# Altium PCB PCB_IC.PcbDoc (part 3 of 4)
Units mm, origin at the board's own origin, x right, y up, seen from the top; angles counter-clockwise.
Board outline 86.27 x 163.53 mm, 4 copper layers (Top Layer, Mid 1, Mid 2, Bottom Layer), stack 0.778 mm thick; 429 components, 360 nets, 1348 pads, 311 vias.
Unrouted connection lines stored in the file: 4.
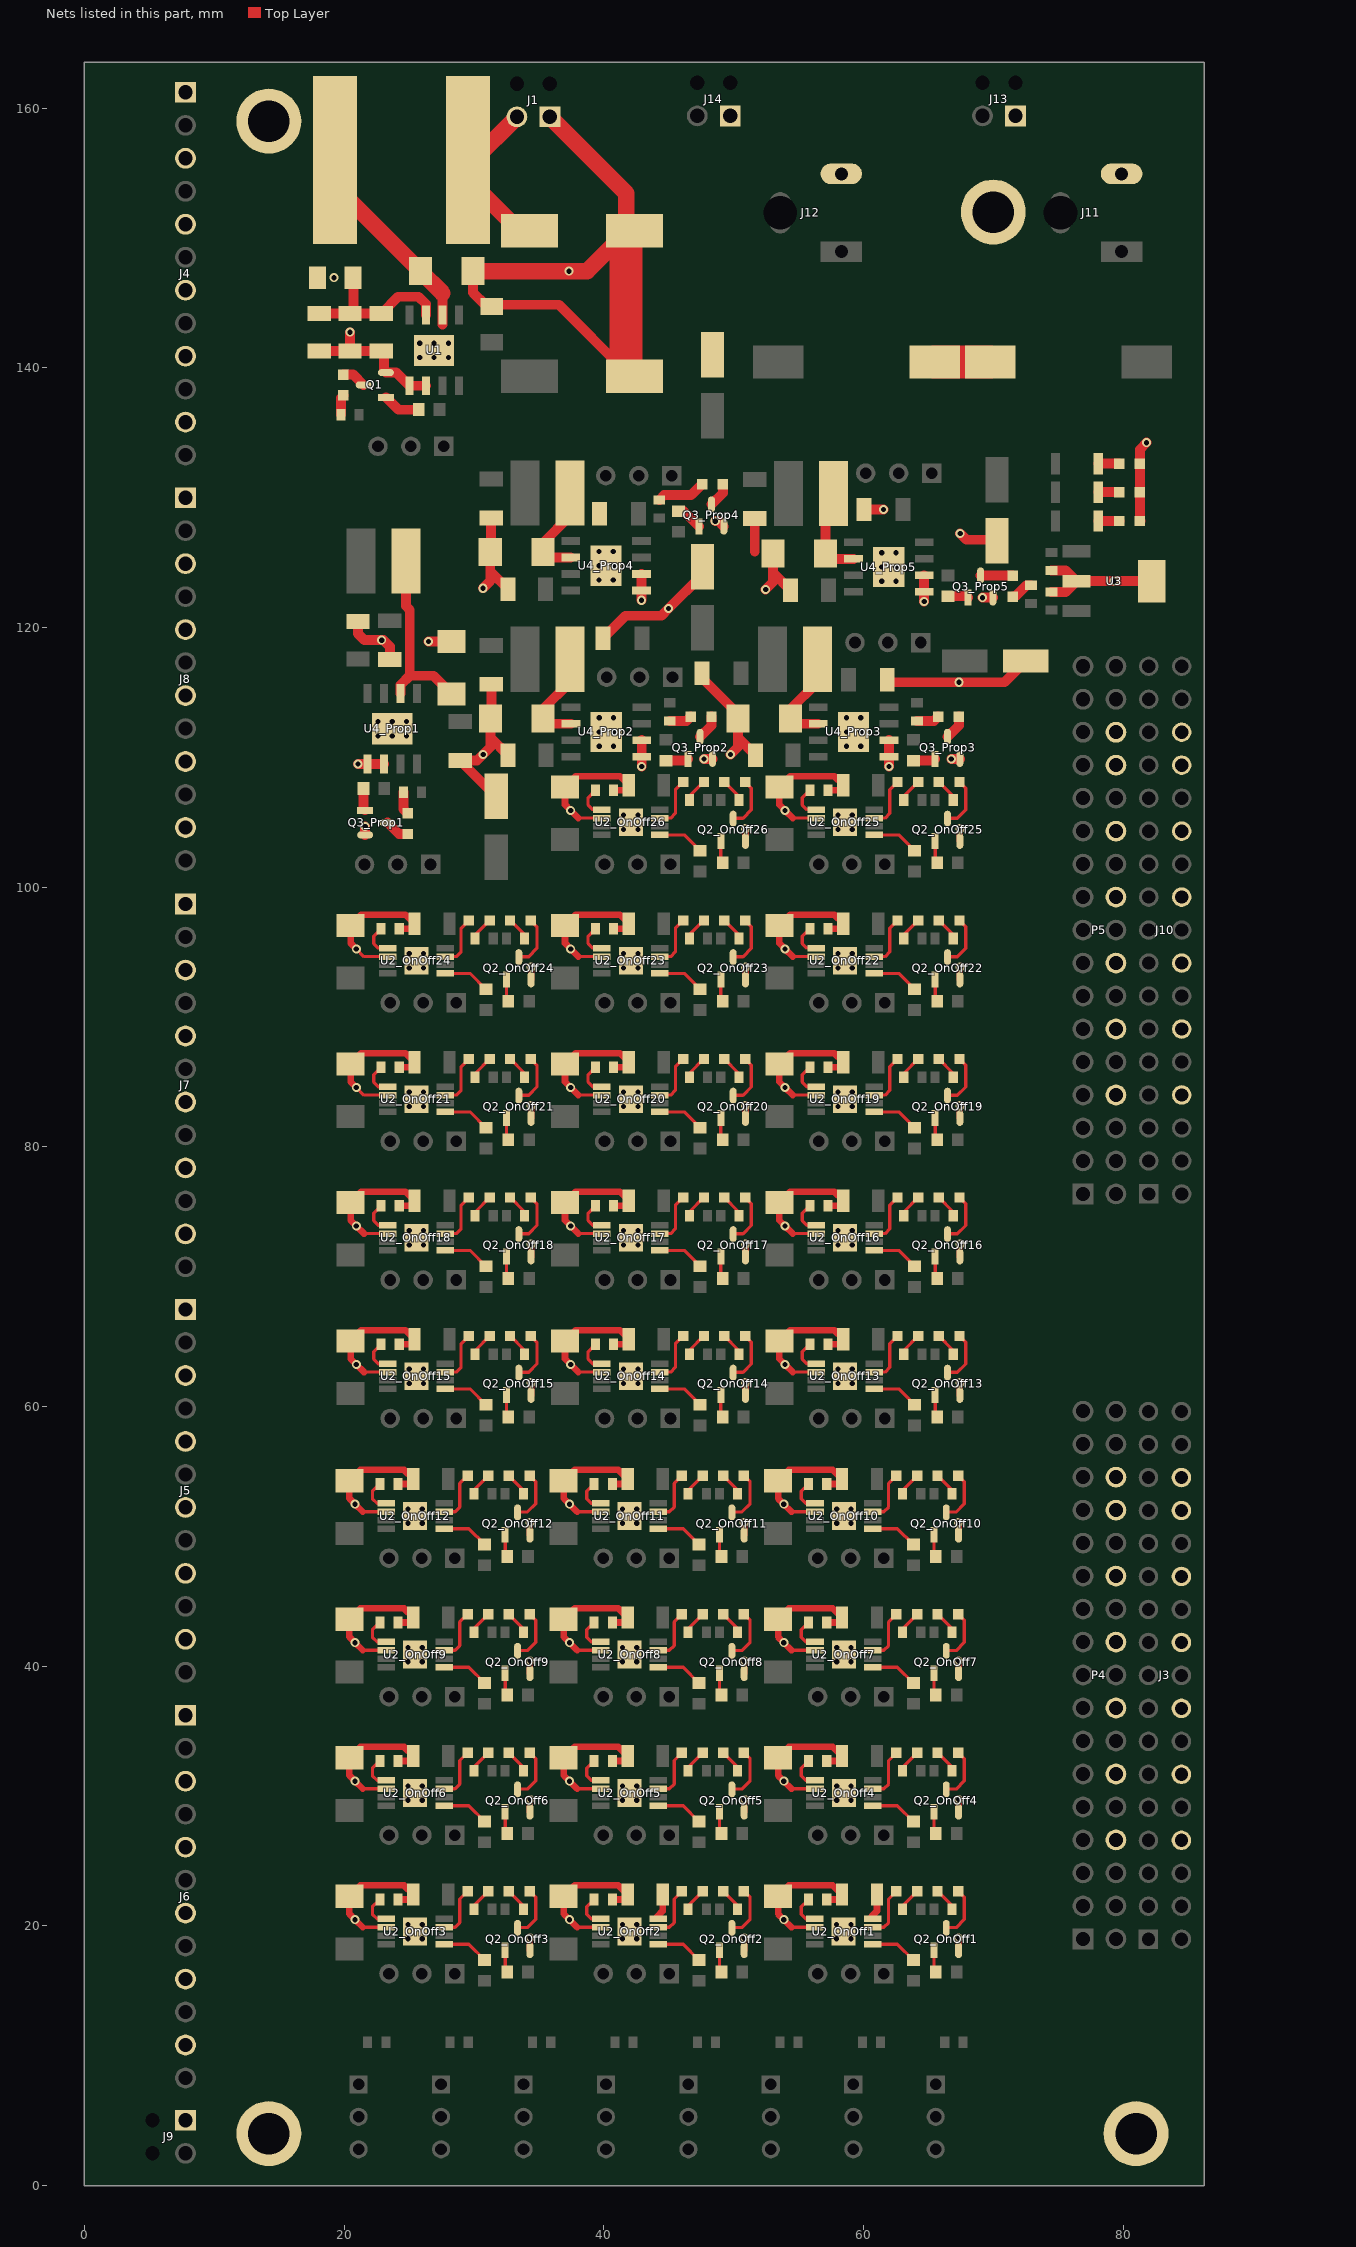
[diagram p5: the nets of this part, all layers, seen from the top]

## Via types
v1: diameter 0.7, hole 0.4, Top Layer to Bottom Layer, 256 vias
v2: diameter 0.55, hole 0.25, Top Layer to Bottom Layer, 55 vias

## Nets (pads, with @x,y where several pads share a name; then routed paths per layer and width w, separated by ;. In a path a pad name is that pad's centre, name@x,y a point inside that pad or via, vN(x,y) a via of type N, cw(c..) or ccw(c..) an arc to the next point about the centre after c; other vN are vias at no path point) (continued)
GND: C1.2 C2.2 C3.2 C4.2 C5_OnOff1.1 C5_OnOff2.1 C5_OnOff3.1 C5_OnOff4.1 C5_OnOff5.1 C5_OnOff6.1 C5_OnOff7.1 C5_OnOff8.1 C5_OnOff9.1 C5_OnOff10.1 C5_OnOff11.1 C5_OnOff12.1 C5_OnOff13.1 C5_OnOff14.1 C5_OnOff15.1 C5_OnOff16.1 C5_OnOff17.1 C5_OnOff18.1 C5_OnOff19.1 C5_OnOff20.1 C5_OnOff21.1 C5_OnOff22.1 C5_OnOff23.1 C5_OnOff24.1 C5_OnOff25.1 C5_OnOff26.1 C6.1 C7.2 C9_Prop1.2 C9_Prop2.2 C9_Prop3.2 C9_Prop4.2 C9_Prop5.2 C10_Prop1.1 C10_Prop2.1 C10_Prop3.1 C10_Prop4.1 C10_Prop5.1 C11_Prop1.1 C11_Prop2.1 C11_Prop3.1 C11_Prop4.1 C11_Prop5.1 C12.2 C13.2 D2.2 D5_OnOff1.2 D5_OnOff2.2 D5_OnOff3.2 D5_OnOff4.2 D5_OnOff5.2 D5_OnOff6.2 D5_OnOff7.2 D5_OnOff8.2 D5_OnOff9.2 D5_OnOff10.2 D5_OnOff11.2 D5_OnOff12.2 D5_OnOff13.2 D5_OnOff14.2 D5_OnOff15.2 D5_OnOff16.2 D5_OnOff17.2 D5_OnOff18.2 D5_OnOff19.2 D5_OnOff20.2 D5_OnOff21.2 D5_OnOff22.2 D5_OnOff23.2 D5_OnOff24.2 D5_OnOff25.2 D5_OnOff26.2 D6.1 D7.1 D8.1 D10_Prop1.2 D10_Prop2.2 D10_Prop3.2 D10_Prop4.2 D10_Prop5.2 J1.1 J3.8 J3.12 J3.16 J3.20 J3.24 J3.28 J3.30 J4.1 J4.3 J4.5 J4.7 J4.9 J4.11 J5.1 J5.3 J5.5 J5.7 J5.9 J5.11 J6.1 J6.3 J6.5 J6.7 J6.9 J6.11 J7.1 J7.3 J7.5 J7.7 J7.9 J7.11 J8.1 J8.3 J8.5 J8.7 J8.9 J8.11 J9.1 J10.8 J10.12 J10.16 J10.20 J10.24 J10.28 J10.30 J11.2 J12.2 J13.1 J14.1 P4.8 P4.12 P4.16 P4.20 P4.24 P4.28 P4.30 P5.8 P5.12 P5.16 P5.20 P5.24 P5.28 P5.30 pad.2 Q1.2 Q2_OnOff1.2 Q2_OnOff2.2 Q2_OnOff3.2 Q2_OnOff4.2 Q2_OnOff5.2 Q2_OnOff6.2 Q2_OnOff7.2 Q2_OnOff8.2 Q2_OnOff9.2 Q2_OnOff10.2 Q2_OnOff11.2 Q2_OnOff12.2 Q2_OnOff13.2 Q2_OnOff14.2 Q2_OnOff15.2 Q2_OnOff16.2 Q2_OnOff17.2 Q2_OnOff18.2 Q2_OnOff19.2 Q2_OnOff20.2 Q2_OnOff21.2 Q2_OnOff22.2 Q2_OnOff23.2 Q2_OnOff24.2 Q2_OnOff25.2 Q2_OnOff26.2 Q3_Prop1.2 Q3_Prop2.2 Q3_Prop3.2 Q3_Prop4.2 Q3_Prop5.2 R3.1 R4.1 R5.1 R10_OnOff1.1 R10_OnOff2.1 R10_OnOff3.1 R10_OnOff4.1 R10_OnOff5.1 R10_OnOff6.1 R10_OnOff7.1 R10_OnOff8.1 R10_OnOff9.1 R10_OnOff10.1 R10_OnOff11.1 R10_OnOff12.1 R10_OnOff13.1 R10_OnOff14.1 R10_OnOff15.1 R10_OnOff16.1 R10_OnOff17.1 R10_OnOff18.1 R10_OnOff19.1 R10_OnOff20.1 R10_OnOff21.1 R10_OnOff22.1 R10_OnOff23.1 R10_OnOff24.1 R10_OnOff25.1 R10_OnOff26.1 R17_Prop1.1 R17_Prop2.1 R17_Prop3.1 R17_Prop4.1 R17_Prop5.1 U1.1 U1.2 U2_OnOff1.6 U2_OnOff2.6 U2_OnOff3.6 U2_OnOff4.6 U2_OnOff5.6 U2_OnOff6.6 U2_OnOff7.6 U2_OnOff8.6 U2_OnOff9.6 U2_OnOff10.6 U2_OnOff11.6 U2_OnOff12.6 U2_OnOff13.6 U2_OnOff14.6 U2_OnOff15.6 U2_OnOff16.6 U2_OnOff17.6 U2_OnOff18.6 U2_OnOff19.6 U2_OnOff20.6 U2_OnOff21.6 U2_OnOff22.6 U2_OnOff23.6 U2_OnOff24.6 U2_OnOff25.6 U2_OnOff26.6 U3.2 U3.4 U4_Prop1.1 U4_Prop1.2 U4_Prop2.1 U4_Prop2.2 U4_Prop3.1 U4_Prop3.2 U4_Prop4.1 U4_Prop4.2 U4_Prop5.1 U4_Prop5.2 | length 492.7
  Top Layer w0.254: v1(20.942,84.582) 21.531,83.993 U2_OnOff21.6@23.344,83.993 ; v1(20.942,95.25) 21.531,94.661 U2_OnOff24.6@23.344,94.661 ; 21.435,19.889 U2_OnOff3.6@23.248,19.889 ; 21.435,30.557 U2_OnOff6.6@23.248,30.557 ; 21.435,41.225 U2_OnOff9.6@23.248,41.225 ; 21.435,51.893 U2_OnOff12.6@23.248,51.893 ; 21.531,62.657 U2_OnOff15.6@23.344,62.657 ; 21.531,73.325 U2_OnOff18.6@23.344,73.325 ; 37.945,19.889 U2_OnOff2.6@39.758,19.889 ; 37.945,30.557 U2_OnOff5.6@39.758,30.557 ; 37.945,41.225 U2_OnOff8.6@39.758,41.225 ; 37.945,51.893 U2_OnOff11.6@39.758,51.893 ; 38.041,62.657 U2_OnOff14.6@39.854,62.657 ; 38.041,73.325 U2_OnOff17.6@39.854,73.325 ; 38.041,83.993 U2_OnOff20.6@39.854,83.993 ; 38.041,94.661 U2_OnOff23.6@39.854,94.661 ; 38.041,105.329 U2_OnOff26.6@39.854,105.329 ; 54.455,19.889 U2_OnOff1.6@56.268,19.889 ; 54.455,30.557 U2_OnOff4.6@56.268,30.557 ; 54.455,41.225 U2_OnOff7.6@56.268,41.225 ; 54.455,51.893 U2_OnOff10.6@56.268,51.893 ; 54.551,62.657 U2_OnOff13.6@56.364,62.657 ; 54.551,73.325 U2_OnOff16.6@56.364,73.325 ; 54.551,83.993 U2_OnOff19.6@56.364,83.993 ; 54.551,94.661 U2_OnOff22.6@56.364,94.661 ; 54.551,105.329 U2_OnOff25.6@56.364,105.329
  Top Layer w0.508: v1(20.942,84.582) 20.5,85.024 D5_OnOff21.2@20.5,86.384 21.338,87.222 24.716,87.222 R10_OnOff21.1@25.42,86.518 25.039,86.137 C5_OnOff21.1@24.248,86.137 ; v1(20.942,95.25) 20.5,95.692 D5_OnOff24.2@20.5,97.052 21.338,97.89 24.716,97.89 R10_OnOff24.1@25.42,97.186 25.039,96.805 C5_OnOff24.1@24.248,96.805 ; 21.435,19.889 v1(20.846,20.478) 20.404,20.92 D5_OnOff3.2@20.404,22.28 21.242,23.118 24.62,23.118 R10_OnOff3.1@25.324,22.414 24.943,22.033 C5_OnOff3.1@24.152,22.033 ; 21.435,30.557 v1(20.846,31.146) 20.404,31.588 D5_OnOff6.2@20.404,32.948 21.242,33.786 24.62,33.786 R10_OnOff6.1@25.324,33.082 24.943,32.701 C5_OnOff6.1@24.152,32.701 ; 21.435,41.225 v1(20.846,41.814) 20.404,42.256 D5_OnOff9.2@20.404,43.616 21.242,44.454 24.62,44.454 R10_OnOff9.1@25.324,43.75 24.943,43.369 C5_OnOff9.1@24.152,43.369 ; 21.435,51.893 v1(20.846,52.482) 20.404,52.924 D5_OnOff12.2@20.404,54.284 21.242,55.122 24.62,55.122 R10_OnOff12.1@25.324,54.418 24.943,54.037 C5_OnOff12.1@24.152,54.037 ; 21.531,62.657 v1(20.942,63.246) 20.5,63.688 D5_OnOff15.2@20.5,65.048 21.338,65.886 24.716,65.886 R10_OnOff15.1@25.42,65.182 25.039,64.801 C5_OnOff15.1@24.248,64.801 ; 21.531,73.325 v1(20.942,73.914) 20.5,74.356 D5_OnOff18.2@20.5,75.716 21.338,76.554 24.716,76.554 R10_OnOff18.1@25.42,75.85 25.039,75.469 C5_OnOff18.1@24.248,75.469 ; Q2_OnOff3.2@34.308,18.125 v1(34.308,19.064) ; Q2_OnOff6.2@34.308,28.793 v1(34.308,29.732) ; Q2_OnOff9.2@34.308,39.461 v1(34.308,40.4) ; Q2_OnOff12.2@34.308,50.129 v1(34.308,51.068) ; Q2_OnOff15.2@34.404,60.893 v1(34.404,61.832) ; Q2_OnOff18.2@34.404,71.561 v1(34.404,72.5) ; Q2_OnOff21.2@34.404,82.229 v1(34.404,83.168) ; Q2_OnOff24.2@34.404,92.897 v1(34.404,93.836) ; 37.945,19.889 v1(37.356,20.478) 36.914,20.92 D5_OnOff2.2@36.914,22.28 37.752,23.118 41.13,23.118 R10_OnOff2.1@41.834,22.414 41.453,22.033 C5_OnOff2.1@40.662,22.033 ; 37.945,30.557 v1(37.356,31.146) 36.914,31.588 D5_OnOff5.2@36.914,32.948 37.752,33.786 41.13,33.786 R10_OnOff5.1@41.834,33.082 41.453,32.701 C5_OnOff5.1@40.662,32.701 ; 37.945,41.225 v1(37.356,41.814) 36.914,42.256 D5_OnOff8.2@36.914,43.616 37.752,44.454 41.13,44.454 R10_OnOff8.1@41.834,43.75 41.453,43.369 C5_OnOff8.1@40.662,43.369 ; 37.945,51.893 v1(37.356,52.482) 36.914,52.924 D5_OnOff11.2@36.914,54.284 37.752,55.122 41.13,55.122 R10_OnOff11.1@41.834,54.418 41.453,54.037 C5_OnOff11.1@40.662,54.037 ; 38.041,62.657 v1(37.452,63.246) 37.01,63.688 D5_OnOff14.2@37.01,65.048 37.848,65.886 41.226,65.886 R10_OnOff14.1@41.93,65.182 41.549,64.801 C5_OnOff14.1@40.758,64.801 ; 38.041,73.325 v1(37.452,73.914) 37.01,74.356 D5_OnOff17.2@37.01,75.716 37.848,76.554 41.226,76.554 R10_OnOff17.1@41.93,75.85 41.549,75.469 C5_OnOff17.1@40.758,75.469 ; 38.041,83.993 v1(37.452,84.582) 37.01,85.024 D5_OnOff20.2@37.01,86.384 37.848,87.222 41.226,87.222 R10_OnOff20.1@41.93,86.518 41.549,86.137 C5_OnOff20.1@40.758,86.137 ; 38.041,94.661 v1(37.452,95.25) 37.01,95.692 D5_OnOff23.2@37.01,97.052 37.848,97.89 41.226,97.89 R10_OnOff23.1@41.93,97.186 41.549,96.805 C5_OnOff23.1@40.758,96.805 ; 38.041,105.329 v1(37.452,105.918) 37.01,106.36 D5_OnOff26.2@37.01,107.72 37.848,108.558 41.226,108.558 R10_OnOff26.1@41.93,107.854 41.549,107.473 C5_OnOff26.1@40.758,107.473 ; Q2_OnOff2.2@50.818,18.125 v1(50.818,19.064) ; Q2_OnOff5.2@50.818,28.793 v1(50.818,29.732) ; Q2_OnOff8.2@50.818,39.461 v1(50.818,40.4) ; Q2_OnOff11.2@50.818,50.129 v1(50.818,51.068) ; Q2_OnOff14.2@50.914,60.893 v1(50.914,61.832) ; Q2_OnOff17.2@50.914,71.561 v1(50.914,72.5) ; Q2_OnOff20.2@50.914,82.229 v1(50.914,83.168) ; Q2_OnOff23.2@50.914,92.897 v1(50.914,93.836) ; Q2_OnOff26.2@50.914,103.565 v1(50.914,104.504) ; 54.455,19.889 v1(53.866,20.478) 53.424,20.92 D5_OnOff1.2@53.424,22.28 54.262,23.118 57.64,23.118 R10_OnOff1.1@58.344,22.414 57.963,22.033 C5_OnOff1.1@57.172,22.033 ; 54.455,30.557 v1(53.866,31.146) 53.424,31.588 D5_OnOff4.2@53.424,32.948 54.262,33.786 57.64,33.786 R10_OnOff4.1@58.344,33.082 57.963,32.701 C5_OnOff4.1@57.172,32.701 ; 54.455,41.225 v1(53.866,41.814) 53.424,42.256 D5_OnOff7.2@53.424,43.616 54.262,44.454 57.64,44.454 R10_OnOff7.1@58.344,43.75 57.963,43.369 C5_OnOff7.1@57.172,43.369 ; 54.455,51.893 v1(53.866,52.482) 53.424,52.924 D5_OnOff10.2@53.424,54.284 54.262,55.122 57.64,55.122 R10_OnOff10.1@58.344,54.418 57.963,54.037 C5_OnOff10.1@57.172,54.037 ; 54.551,62.657 v1(53.962,63.246) 53.52,63.688 D5_OnOff13.2@53.52,65.048 54.358,65.886 57.736,65.886 R10_OnOff13.1@58.44,65.182 58.059,64.801 C5_OnOff13.1@57.268,64.801 ; 54.551,73.325 v1(53.962,73.914) 53.52,74.356 D5_OnOff16.2@53.52,75.716 54.358,76.554 57.736,76.554 R10_OnOff16.1@58.44,75.85 58.059,75.469 C5_OnOff16.1@57.268,75.469 ; 54.551,83.993 v1(53.962,84.582) 53.52,85.024 D5_OnOff19.2@53.52,86.384 54.358,87.222 57.736,87.222 R10_OnOff19.1@58.44,86.518 58.059,86.137 C5_OnOff19.1@57.268,86.137 ; 54.551,94.661 v1(53.962,95.25) 53.52,95.692 D5_OnOff22.2@53.52,97.052 54.358,97.89 57.736,97.89 R10_OnOff22.1@58.44,97.186 58.059,96.805 C5_OnOff22.1@57.268,96.805 ; 54.551,105.329 v1(53.962,105.918) 53.52,106.36 D5_OnOff25.2@53.52,107.72 54.358,108.558 57.736,108.558 R10_OnOff25.1@58.44,107.854 58.059,107.473 C5_OnOff25.1@57.268,107.473 ; Q2_OnOff1.2@67.328,18.125 v1(67.328,19.064) ; Q2_OnOff4.2@67.328,28.793 v1(67.328,29.732) ; Q2_OnOff7.2@67.328,39.461 v1(67.328,40.4) ; Q2_OnOff10.2@67.328,50.129 v1(67.328,51.068) ; Q2_OnOff13.2@67.424,60.893 v1(67.424,61.832) ; Q2_OnOff16.2@67.424,71.561 v1(67.424,72.5) ; Q2_OnOff19.2@67.424,82.229 v1(67.424,83.168) ; Q2_OnOff22.2@67.424,92.897 v1(67.424,93.836) ; Q2_OnOff25.2@67.424,103.565 v1(67.424,104.504)
  Top Layer w0.762: R5.1@18.083,141.29 18.091,141.298 R4.1@20.456,141.298 ; v1(20.456,142.748) R4.1@20.456,141.298 ; v1(21.059,109.48) U4_Prop1.1@21.805,109.48 U4_Prop1.2@23.075,109.48 ; R17_Prop1.1@21.066,120.476 21.066,119.526 21.566,119.026 v1(22.895,119.026) 23.022,119.026 23.522,118.526 C11_Prop1.1@23.522,117.526 ; Q3_Prop1.2@21.622,104.027 v1(21.622,104.684) ; U1.2@26.298,138.626 U1.1@25.028,138.626 24.02,139.634 Q1.2@23.221,139.634 23.075,139.78 23.075,141.092 R3.1@22.869,141.298 R4.1@20.456,141.298 ; v1(26.49,118.929) D10_Prop1.2@28.286,118.929 ; D2.2@29.937,147.447 29.937,145.792 30.866,144.863 36.539,144.863 C2.2@41.716,139.685 ; v1(30.692,123.028) 31.258,123.594 31.258,124.324 ; D10_Prop4.2@31.258,125.806 31.258,124.324 ; D10_Prop2.2@31.277,113.01 31.277,111.528 ; D10_Prop4.2@31.327,125.875 C11_Prop4.1@31.327,128.428 ; D10_Prop2.2@31.346,113.079 C11_Prop2.1@31.346,115.632 ; C9_Prop1.2@31.708,106.998 31.703,106.998 C10_Prop1.1@28.94,109.761 30.24,109.761 v1(30.711,110.232) 31.277,110.798 31.277,111.528 ; R17_Prop4.1@32.62,122.961 31.258,124.324 ; R17_Prop2.1@32.639,110.165 31.277,111.528 ; C10_Prop2.1@39.936,119.177 41.671,120.911 44.441,120.911 v1(44.992,121.463) 47.6,124.071 C9_Prop2.2@47.6,124.672 ; v1(42.902,122.105) U4_Prop4.1@42.902,122.85 U4_Prop4.2@42.902,124.12 ; v1(42.921,109.309) U4_Prop2.1@42.921,110.054 U4_Prop2.2@42.921,111.324 ; C11_Prop3.1@47.556,116.484 47.556,116.105 50.327,113.335 D10_Prop3.2@50.327,113.01 50.327,111.528 ; v1(47.716,109.872) Q3_Prop2.2@48.374,109.872 ; v1(48.587,128.194) 48.824,128.194 Q3_Prop4.2@49.244,127.773 ; v1(49.761,110.232) 50.327,110.798 50.327,111.528 ; 51.63,125.856 C11_Prop5.1@51.63,128.409 ; R17_Prop3.1@51.689,110.165 50.327,111.528 ; v1(52.468,122.932) 53.034,123.498 53.034,124.228 ; D10_Prop5.2@53.034,125.711 53.034,124.228 ; R17_Prop5.1@54.397,122.866 53.034,124.228 ; C10_Prop5.1@60.043,129.089 v1(61.543,129.089) ; C10_Prop3.1@61.834,115.984 62.031,115.788 v1(67.37,115.788) 70.877,115.788 C9_Prop3.2@72.514,117.424 ; v1(61.971,109.309) U4_Prop3.1@61.971,110.054 U4_Prop3.2@61.971,111.324 ; v1(64.679,122.009) U4_Prop5.1@64.679,122.755 U4_Prop5.2@64.679,124.025 ; v1(66.766,109.872) Q3_Prop3.2@67.424,109.872 ; v1(67.451,127.236) 67.925,126.762 C9_Prop5.2@69.783,126.762 ; v1(69.173,122.301) Q3_Prop5.2@69.971,122.301 ; C7.2@74.477,122.747 75.579,122.747 U3.2@76.403,123.571 ; C6.1@74.477,124.395 75.579,124.395 U3.2@76.403,123.571 ; D8.1@81.339,128.204 81.289,128.254 D6.1@81.289,130.429 D7.1@81.289,132.626 81.289,133.716 v1(81.812,134.239) ; U3.4@82.643,124.011 U3.4@82.203,123.571 v1(79.303,123.571) U3.2@76.403,123.571
  Top Layer w1.27: D2.2@29.937,147.447 v1(37.31,147.447) 38.719,147.447 41.716,150.444 41.716,153.467 J1.1@35.848,159.334
  Top Layer w2.54: C2.2@41.716,139.685 C4.2@41.716,150.444 ; C13.2@65.489,140.462 C12.2@69.762,140.462 C12.2@69.087,140.462
  other v1: 57.93,19.008 59.03,19.008 24.923,19.014 26.023,19.014 41.433,19.014 42.533,19.014 24.923,20.114 26.023,20.114 41.433,20.114 42.533,20.114 57.93,20.108 59.03,20.108 24.923,29.682 26.023,29.682 41.433,29.682 42.533,29.682 57.943,29.682 59.043,29.682 24.923,30.782 26.023,30.782 41.433,30.782 42.533,30.782 57.943,30.782 59.043,30.782 24.923,40.35 26.023,40.35 41.433,40.35 42.533,40.35 57.943,40.35 59.043,40.35 24.923,41.45 26.023,41.45 41.433,41.45 42.533,41.45 57.943,41.45 59.043,41.45 24.923,51.018 26.023,51.018 41.433,51.018 42.533,51.018 57.943,51.018 59.043,51.018 24.923,52.118 26.023,52.118 41.433,52.118 42.533,52.118 57.943,52.118 59.043,52.118 25.019,61.782 26.119,61.782 41.529,61.782 42.629,61.782 58.039,61.782 59.139,61.782 25.019,62.882 26.119,62.882 41.529,62.882 42.629,62.882 58.039,62.882 59.139,62.882 25.019,72.45 26.119,72.45 41.529,72.45 42.629,72.45 58.039,72.45 59.139,72.45 25.019,73.55 26.119,73.55 41.529,73.55 42.629,73.55 58.039,73.55 59.139,73.55 25.019,83.118 26.119,83.118 41.529,83.118 42.629,83.118 58.039,83.118 59.139,83.118 25.019,84.218 26.119,84.218 41.529,84.218 42.629,84.218 58.039,84.218 59.139,84.218 25.019,93.786 26.119,93.786 41.529,93.786 42.629,93.786 58.039,93.786 59.139,93.786 25.019,94.886 26.119,94.886 41.529,94.886 42.629,94.886 58.039,94.886 59.139,94.886 41.529,104.454 42.629,104.454 58.039,104.454 59.139,104.454 41.529,105.554 42.629,105.554 58.039,105.554 59.139,105.554 39.646,110.859 40.746,110.859 58.696,110.859 59.796,110.859 22.61,111.655 23.71,111.655 24.81,111.655 39.646,111.959 40.746,111.959 58.696,111.959 59.796,111.959 22.61,112.755 23.71,112.755 24.81,112.755 39.646,113.059 40.746,113.059 58.696,113.059 59.796,113.059 61.404,123.56 62.504,123.56 39.627,123.655 40.727,123.655 61.404,124.66 62.504,124.66 39.627,124.755 40.727,124.755 61.404,125.76 62.504,125.76 39.627,125.855 40.727,125.855 25.833,140.801 26.933,140.801 28.033,140.801 25.833,141.901 26.933,141.901 28.033,141.901 19.224,146.947
NetC1_1: C1.1 R3.2 R4.2 R5.2 U1.7 | length 12.7
  Top Layer w0.762: R5.2@18.083,144.19 20.448,144.19 R4.2@20.456,144.198 ; C1.1@20.738,146.947 20.738,144.48 R4.2@20.456,144.198 ; U1.7@26.298,144.076 26.298,144.918 25.737,145.479 24.15,145.479 R3.2@22.869,144.198 R4.2@20.456,144.198
NetC4_1: C4.1 J1.2 L1.2 | length 13
  Top Layer w0.762: L1.2@29.059,155.001 29.059,155.931 L1.2@29.905,155.931
  Top Layer w1.27: L1.2@29.059,155.001 C4.1@33.616,150.444 ; L1.2@29.905,155.931 J1.2@33.308,159.334
NetC5_OnOff1_2: C5_OnOff1.2 U2_OnOff1.5 | length 2.6
  Top Layer w0.254: C5_OnOff1.2@55.772,22.033 55.202,21.463 55.202,20.89 55.553,20.539 U2_OnOff1.5@56.268,20.539
NetC5_OnOff2_2: C5_OnOff2.2 U2_OnOff2.5 | length 2.6
  Top Layer w0.254: C5_OnOff2.2@39.262,22.033 38.692,21.463 38.692,20.89 39.043,20.539 U2_OnOff2.5@39.758,20.539
NetC5_OnOff3_2: C5_OnOff3.2 U2_OnOff3.5 | length 2.6
  Top Layer w0.254: C5_OnOff3.2@22.752,22.033 22.182,21.463 22.182,20.89 22.533,20.539 U2_OnOff3.5@23.248,20.539
NetC5_OnOff4_2: C5_OnOff4.2 U2_OnOff4.5 | length 2.6
  Top Layer w0.254: C5_OnOff4.2@55.772,32.701 55.202,32.131 55.202,31.558 55.553,31.207 U2_OnOff4.5@56.268,31.207
NetC5_OnOff5_2: C5_OnOff5.2 U2_OnOff5.5 | length 2.6
  Top Layer w0.254: C5_OnOff5.2@39.262,32.701 38.692,32.131 38.692,31.558 39.043,31.207 U2_OnOff5.5@39.758,31.207
NetC5_OnOff6_2: C5_OnOff6.2 U2_OnOff6.5 | length 2.6
  Top Layer w0.254: C5_OnOff6.2@22.752,32.701 22.182,32.131 22.182,31.558 22.533,31.207 U2_OnOff6.5@23.248,31.207
NetC5_OnOff7_2: C5_OnOff7.2 U2_OnOff7.5 | length 2.6
  Top Layer w0.254: C5_OnOff7.2@55.772,43.369 55.202,42.799 55.202,42.226 55.553,41.875 U2_OnOff7.5@56.268,41.875
NetC5_OnOff8_2: C5_OnOff8.2 U2_OnOff8.5 | length 2.6
  Top Layer w0.254: C5_OnOff8.2@39.262,43.369 38.692,42.799 38.692,42.226 39.043,41.875 U2_OnOff8.5@39.758,41.875
NetC5_OnOff9_2: C5_OnOff9.2 U2_OnOff9.5 | length 2.6
  Top Layer w0.254: C5_OnOff9.2@22.752,43.369 22.182,42.799 22.182,42.226 22.533,41.875 U2_OnOff9.5@23.248,41.875
NetC5_OnOff10_2: C5_OnOff10.2 U2_OnOff10.5 | length 2.6
  Top Layer w0.254: C5_OnOff10.2@55.772,54.037 55.202,53.467 55.202,52.894 55.553,52.543 U2_OnOff10.5@56.268,52.543
NetC5_OnOff11_2: C5_OnOff11.2 U2_OnOff11.5 | length 2.6
  Top Layer w0.254: C5_OnOff11.2@39.262,54.037 38.692,53.467 38.692,52.894 39.043,52.543 U2_OnOff11.5@39.758,52.543
NetC5_OnOff12_2: C5_OnOff12.2 U2_OnOff12.5 | length 2.6
  Top Layer w0.254: C5_OnOff12.2@22.752,54.037 22.182,53.467 22.182,52.894 22.533,52.543 U2_OnOff12.5@23.248,52.543
NetC5_OnOff13_2: C5_OnOff13.2 U2_OnOff13.5 | length 2.6
  Top Layer w0.254: C5_OnOff13.2@55.868,64.801 55.298,64.231 55.298,63.658 55.649,63.307 U2_OnOff13.5@56.364,63.307
NetC5_OnOff14_2: C5_OnOff14.2 U2_OnOff14.5 | length 2.6
  Top Layer w0.254: C5_OnOff14.2@39.358,64.801 38.788,64.231 38.788,63.658 39.139,63.307 U2_OnOff14.5@39.854,63.307
NetC5_OnOff15_2: C5_OnOff15.2 U2_OnOff15.5 | length 2.6
  Top Layer w0.254: C5_OnOff15.2@22.848,64.801 22.278,64.231 22.278,63.658 22.629,63.307 U2_OnOff15.5@23.344,63.307
NetC5_OnOff16_2: C5_OnOff16.2 U2_OnOff16.5 | length 2.6
  Top Layer w0.254: C5_OnOff16.2@55.868,75.469 55.298,74.899 55.298,74.326 55.649,73.975 U2_OnOff16.5@56.364,73.975
NetC5_OnOff17_2: C5_OnOff17.2 U2_OnOff17.5 | length 2.6
  Top Layer w0.254: C5_OnOff17.2@39.358,75.469 38.788,74.899 38.788,74.326 39.139,73.975 U2_OnOff17.5@39.854,73.975
NetC5_OnOff18_2: C5_OnOff18.2 U2_OnOff18.5 | length 2.6
  Top Layer w0.254: C5_OnOff18.2@22.848,75.469 22.278,74.899 22.278,74.326 22.629,73.975 U2_OnOff18.5@23.344,73.975
NetC5_OnOff19_2: C5_OnOff19.2 U2_OnOff19.5 | length 2.6
  Top Layer w0.254: C5_OnOff19.2@55.868,86.137 55.298,85.567 55.298,84.994 55.649,84.643 U2_OnOff19.5@56.364,84.643
NetC5_OnOff20_2: C5_OnOff20.2 U2_OnOff20.5 | length 2.6
  Top Layer w0.254: C5_OnOff20.2@39.358,86.137 38.788,85.567 38.788,84.994 39.139,84.643 U2_OnOff20.5@39.854,84.643
NetC5_OnOff21_2: C5_OnOff21.2 U2_OnOff21.5 | length 2.6
  Top Layer w0.254: C5_OnOff21.2@22.848,86.137 22.278,85.567 22.278,84.994 22.629,84.643 U2_OnOff21.5@23.344,84.643
NetC5_OnOff22_2: C5_OnOff22.2 U2_OnOff22.5 | length 2.6
  Top Layer w0.254: C5_OnOff22.2@55.868,96.805 55.298,96.235 55.298,95.662 55.649,95.311 U2_OnOff22.5@56.364,95.311
NetC5_OnOff23_2: C5_OnOff23.2 U2_OnOff23.5 | length 2.6
  Top Layer w0.254: C5_OnOff23.2@39.358,96.805 38.788,96.235 38.788,95.662 39.139,95.311 U2_OnOff23.5@39.854,95.311
NetC5_OnOff24_2: C5_OnOff24.2 U2_OnOff24.5 | length 2.6
  Top Layer w0.254: C5_OnOff24.2@22.848,96.805 22.278,96.235 22.278,95.662 22.629,95.311 U2_OnOff24.5@23.344,95.311
NetC5_OnOff25_2: C5_OnOff25.2 U2_OnOff25.5 | length 2.6
  Top Layer w0.254: C5_OnOff25.2@55.868,107.473 55.298,106.903 55.298,106.33 55.649,105.979 U2_OnOff25.5@56.364,105.979
NetC5_OnOff26_2: C5_OnOff26.2 U2_OnOff26.5 | length 2.6
  Top Layer w0.254: C5_OnOff26.2@39.358,107.473 38.788,106.903 38.788,106.33 39.139,105.979 U2_OnOff26.5@39.854,105.979
NetD1_1: D1.1 Q1.3 | length 1.9
  Top Layer w0.762: D1.1@19.948,139.484 20.701,139.484 Q1.3@21.501,138.684
NetD1_2: D1.2 R1.1 | length 1.6
  Top Layer w0.762: R1.1@19.756,136.398 19.756,137.692 D1.2@19.948,137.884
NetD2_1: D2.1 L1.1 U1.6 | length 16.2
  Top Layer w0.762: L1.1@18.799,154.536 L1.1@18.799,155.931 ; 27.568,143.339 27.568,145.767
  Top Layer w1.27: L1.1@18.799,154.536 D2.1@25.887,147.447 27.568,145.767
NetD3_OnOff1_1: D3_OnOff1.1 Q2_OnOff1.3 | length 4
  Top Layer w0.254: Q2_OnOff1.3@66.378,19.845 66.407,19.874 67.14,19.874 67.775,20.509 67.775,22.198 D3_OnOff1.1@67.305,22.668
NetD3_OnOff1_2: D3_OnOff1.2 R6_OnOff1.1 | length 1.9
  Top Layer w0.254: D3_OnOff1.2@65.705,22.668 66.824,21.549 R6_OnOff1.1@66.824,21.271
NetD3_OnOff2_1: D3_OnOff2.1 Q2_OnOff2.3 | length 4
  Top Layer w0.254: Q2_OnOff2.3@49.868,19.845 49.897,19.874 50.63,19.874 51.265,20.509 51.265,22.198 D3_OnOff2.1@50.795,22.668
NetD3_OnOff2_2: D3_OnOff2.2 R6_OnOff2.1 | length 1.9
  Top Layer w0.254: D3_OnOff2.2@49.195,22.668 50.314,21.549 R6_OnOff2.1@50.314,21.271
NetD3_OnOff3_1: D3_OnOff3.1 Q2_OnOff3.3 | length 4
  Top Layer w0.254: Q2_OnOff3.3@33.358,19.845 33.387,19.874 34.12,19.874 34.755,20.509 34.755,22.198 D3_OnOff3.1@34.285,22.668